# KiCad board PANEL7x5_ADS1293.kicad_pcb (continued)
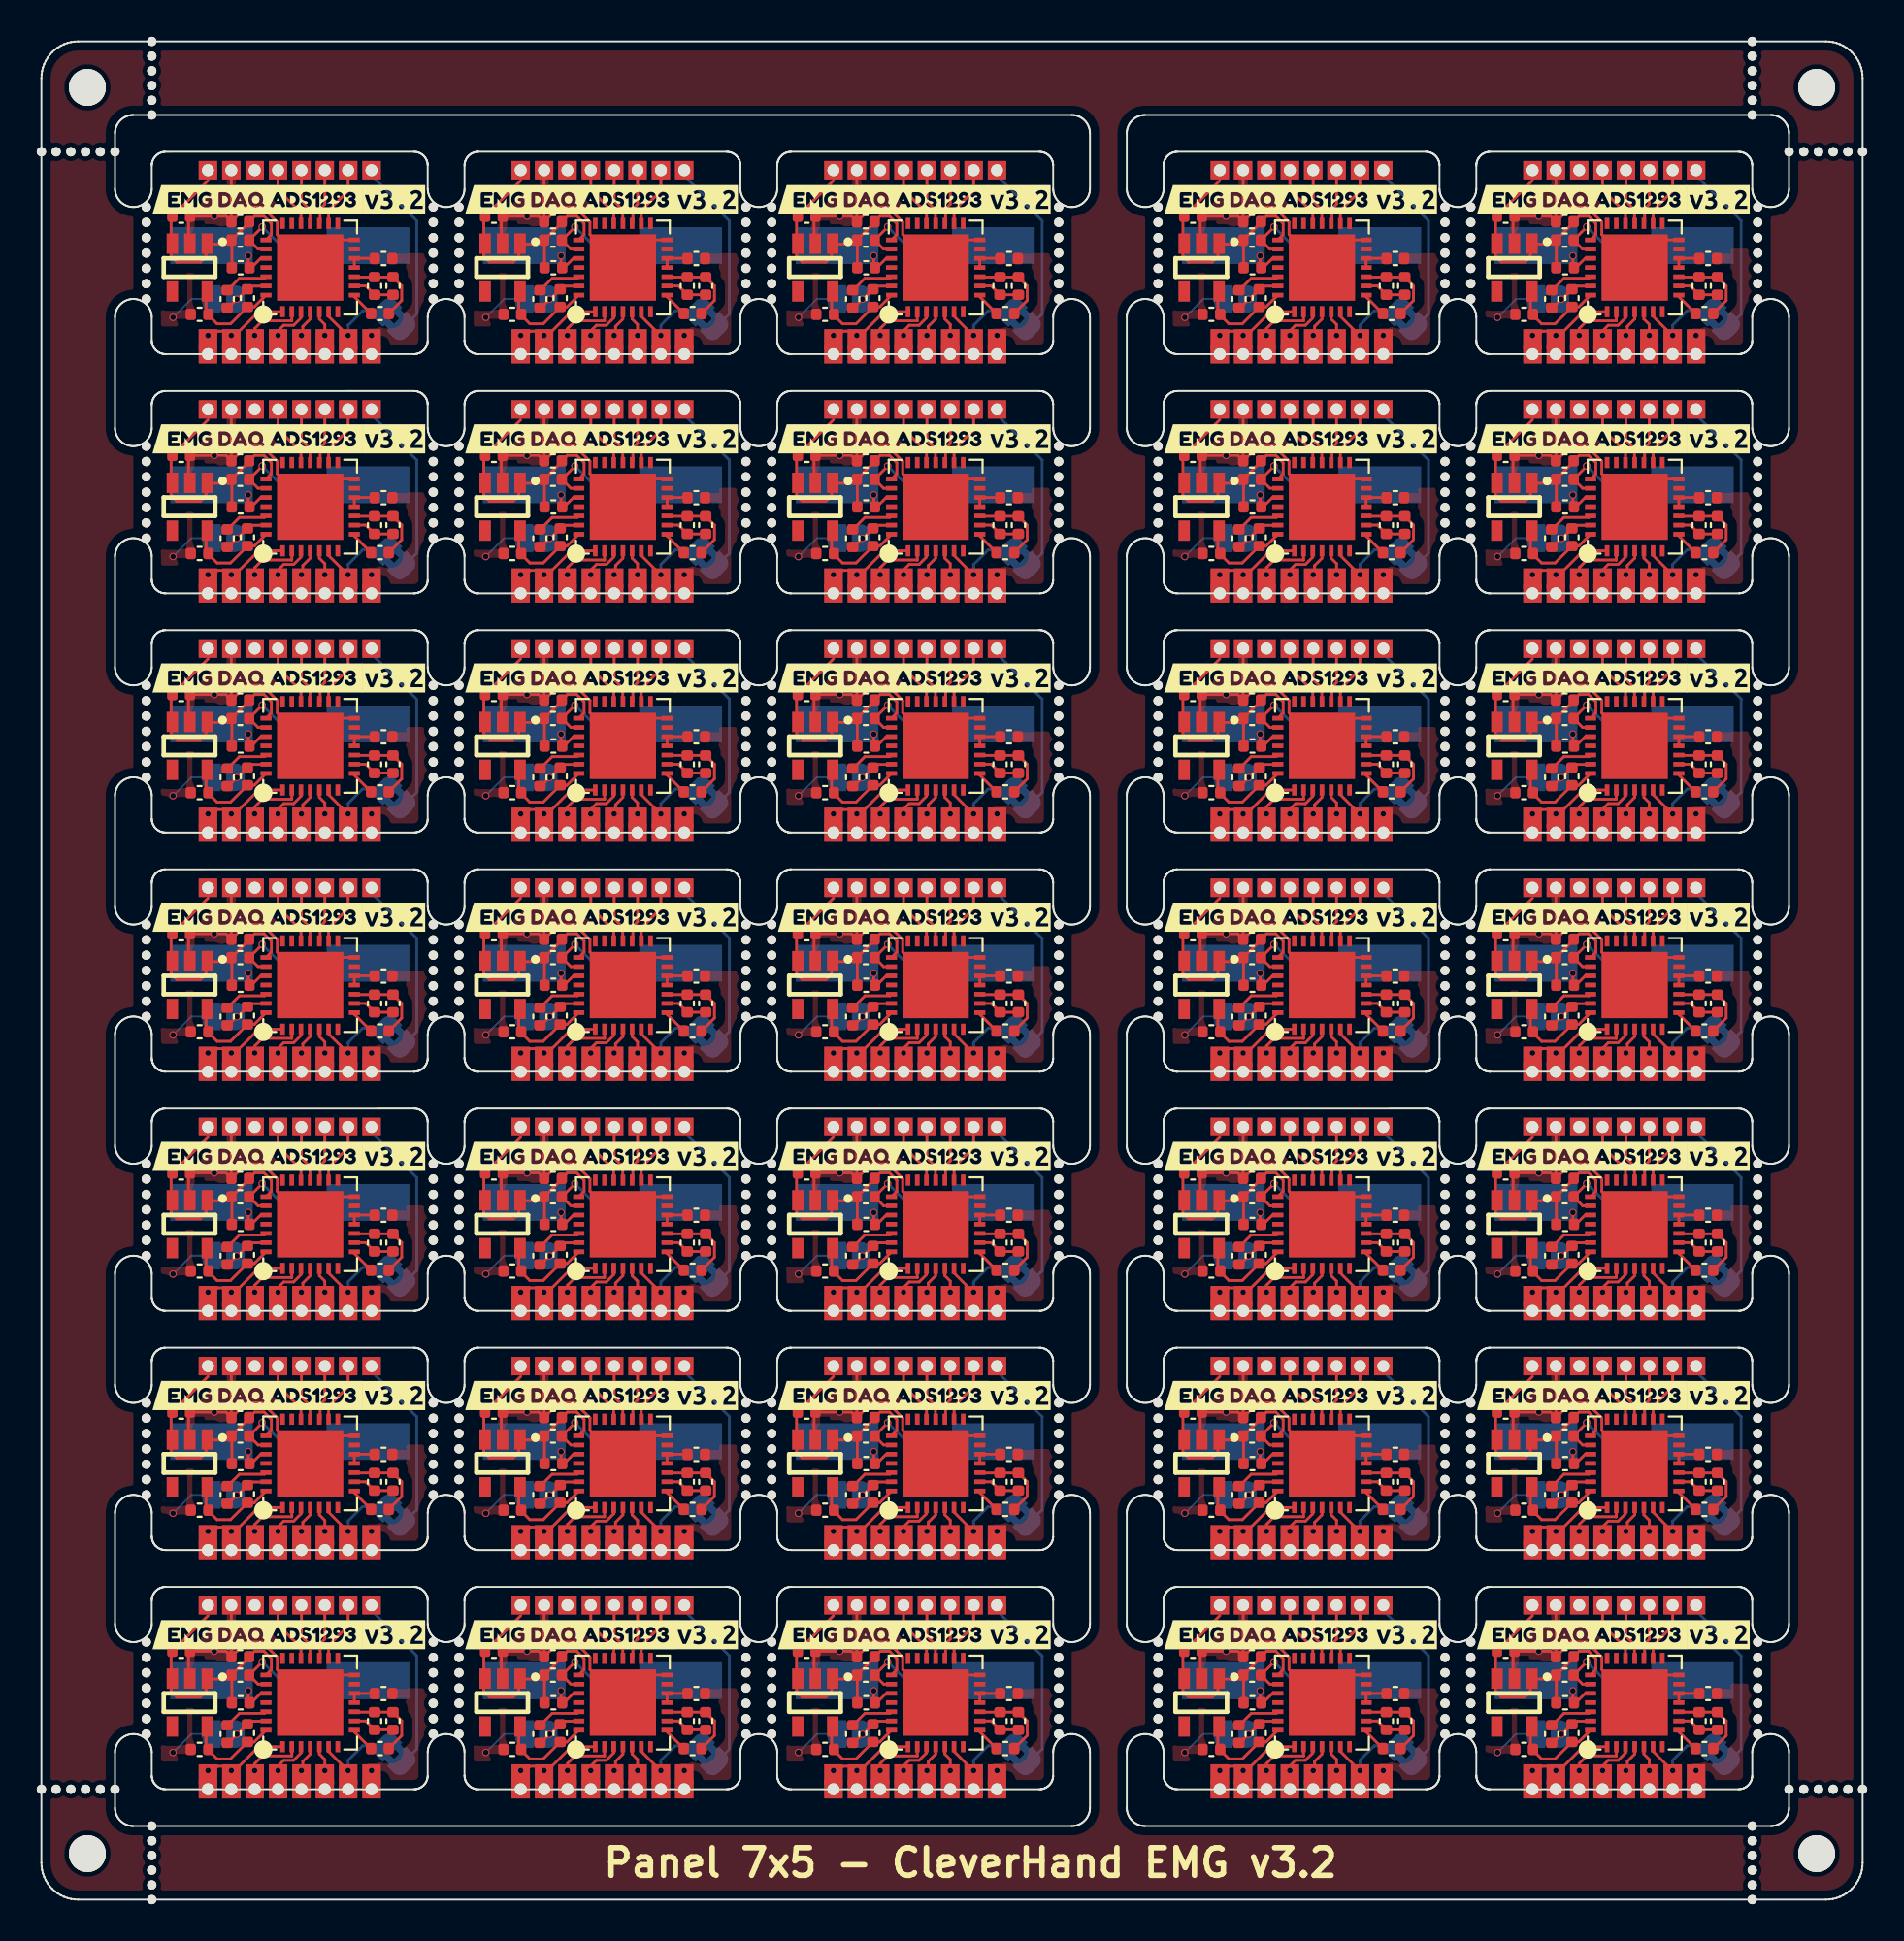
[diagram p0: board, top side]
## Routing (per net, layer and track width the routed paths; a pad name or vN(x,y) marks a point on that pad's centre or on a via; arc(x,y) is an arc through that point) (continued)
  Bottom w0.15: J15#3.1 v1(16.68,20.02) 16.68,20.58 17.46,21.36 JP2#6.2 18.74,21.09 18.55,20.9
Board_25-/PICO: length 3.1
  Top w0.15: U1#14.18 14.6,26.12 14.6,26.85 14.14,27.31 J10#18.1
Board_25-/POCI: length 3.4
  Top w0.15: J9#3.1 12.87,27.94 14.11,26.69 U1#14.19
Board_25-/RLDINV: length 4.6
  Top w0.15: R1#16.1 19.59,21.92 19.59,22.72 R2#23.1 C6#20.1 17.03,23.19 U1#14.10
Board_25-/RLDOUT: length 2.3
  Top w0.15: U1#14.9 17.63,22.71 C6#20.2 R2#23.2
Board_25-/RLDREF: length 1.6
  Top w0.15: C7#33.1 18.11,24.21 U1#14.12 U1#14.11
Board_25-/SCLK: length 2.5
  Top w0.15: 15.41,28.5 15.41,27.16 15.15,26.9 15.15,26.15 U1#14.17
Board_25-GND: length 18.1
  Top w0.15: 8,24.98 8,26.42 C9#25.2 10.03,26.5 C5#5.2 ; U1#14.14 16.11,25.21 U1#14.29 12.82,25.5 12.82,26.18 12,27 11.13,27 C5#5.2 ; C5#5.2 10.33,26.21 10.33,28.5
  Bottom w0.1: JP1#22.1 8.16,22 v1(7.16,21)
  vias: v1(9.4,26.5)
Board_25-GNDA: length 2.7
  Top w0.15: v1(10.62,21.99) 10.66,21.99 C1#33.2 11.37,22.7 12.2,22.7 U1#14.27 ; v1(10.62,21.99) 10.67,21.95 ; v1(10.62,21.99) 10.16,21.52 C2#13.2
  vias: v1(17.95,20.02)
Board_25-XTAL1: length 8.3
  Top w0.15: v1(12,25.92) 12,25.91 C4#19.2 11.78,24.71 U1#14.23
  Bottom w0.15: v1(12,25.92) 13.02,24.9 Y1#31.1
Board_25-XTAL2: length 4.2
  Top w0.15: v1(11.25,24.35) 11.25,23.66 11.31,23.6 11.92,24.21 U1#14.24
  Bottom w0.15: v1(11.25,24.35) 10.7,24.9 Y1#31.2
Board_26-+3.3V: length 14.8
  Top w0.15: C4#24.1 27.35,25.18 27.35,23.6 ; C4#24.1 28.29,26.16 C5#15.1 28.59,26.5 29.1,26.5 29.5,26.1 29.5,25.5 U1#2.22 ; C4#24.1 27.12,24.98 25.95,24.98 25.95,24.31 25.64,24 24.36,24 24.05,24.31 24.05,26.43 C9#14.1 26.06,28.44 ; J13.1 26.06,28.94
Board_26-+3.3VA: length 5.5
  Top w0.15: 25.95,22.61 25.95,21.3 C8#26.1 26.08,21.12 26.55,20.65 27.28,20.65 C1.1 28.57,21.57 U1#2.28
Board_26-/CMOUT: length 1.4
  Top w0.15: U1#2.8 34.01,22.12 R1#3.2
Board_26-/CSB: length 3.3
  Top w0.15: J12#12.1 33.68,27.88 32.61,26.81 U1#2.16
Board_26-/cvref: length 2.4
  Top w0.15: C2#14.1 27.12,22.48 27.77,23.12 29.12,23.12 U1#2.26
Board_26-/extRef: length 9.5
  Bottom w0.15: JP2#9.1 37.4,21.18 37.4,26.25 35.15,28.5 ; 35.15,29 J7#4.1
Board_26-/in1: length 6.5
  Top w0.15: U1#2.1 28.81,21.31 27.75,20.25 27.31,20.25 ; 26.06,19.73 J2#21.1 ; 27.31,20.25 27.31,20.04 v1(27.33,20.02) 27.31,20 27.31,19.08 27.33,19.08 ; 27.31,20.25 26.57,20.25 26.34,20.02 v1(26.06,20.02)
Board_26-/in2: length 4
  Top w0.15: 28.6,19.08 v1(28.6,20.02) 28.6,20.39 29.01,20.81 30.61,20.81 U1#2.2
Board_26-/in3: length 3.1
  Top w0.15: J5#18.1 v1(29.87,20.02) 29.87,20.27 30.17,20.57 30.71,20.57 31.11,20.97 U1#2.3
Board_26-/in4: length 2.6
  Top w0.15: J6#11.1 31.21,19.08 31.21,19.94 v1(31.14,20.02) 31.21,20.09 31.21,20.51 31.61,20.91 U1#2.4 ; 31.11,19.11 31.14,19.09
Board_26-/in5: length 2.5
  Top w0.15: J8#6.1 v1(32.41,20.02) 32.41,20.62 32.11,20.91 U1#2.5 ; 32.32,19.09 32.41,19.09
Board_26-/in6: length 7.3
  Top w0.15: J15#22.1 33.68,19.99 32.61,21.06 U1#2.6
  Bottom w0.15: 35.55,20.9 35.74,21.09 JP2#9.2 34.46,21.36 33.68,20.58 v1(33.68,20.02) J15#22.1
Board_26-/PICO: length 3.1
  Top w0.15: J10#33.1 31.14,27.31 31.6,26.85 31.6,26.12 U1#2.18
Board_26-/POCI: length 3.4
  Top w0.15: U1#2.19 31.11,26.69 29.87,27.94 J9#25.1
Board_26-/RLDINV: length 4.6
  Top w0.15: U1#2.10 34.03,23.19 C6#31.1 R2#18.1 36.59,22.72 36.59,21.92 R1#3.1
Board_26-/RLDOUT: length 2.3
  Top w0.15: R2#18.2 C6#31.2 34.63,22.71 U1#2.9
Board_26-/RLDREF: length 1.6
  Top w0.15: U1#2.11 U1#2.12 35.11,24.21 C7#21.1
Board_26-/SCLK: length 2.5
  Top w0.15: 32.41,28.5 32.41,27.16 32.15,26.9 32.15,26.15 U1#2.17
Board_26-GND: length 18.1
  Top w0.15: C5#15.2 27.03,26.5 C9#14.2 25,26.42 25,24.98 ; C5#15.2 27.33,26.21 27.33,28.5 ; C5#15.2 28.13,27 29,27 29.82,26.18 29.82,25.5 U1#2.29 33.11,25.21 U1#2.14
  Bottom w0.1: JP1#26.1 25.16,22 v1(24.16,21)
  vias: v1(26.4,26.5)
Board_26-GNDA: length 2.7
  Top w0.15: v1(27.63,21.99) 27.16,21.52 C2#14.2 ; v1(27.63,21.99) 27.67,21.95 ; v1(27.63,21.99) 27.66,21.99 C1.2 28.37,22.7 29.2,22.7 U1#2.27
  vias: v1(34.95,20.02)
Board_26-XTAL1: length 8.3
  Top w0.15: v1(29,25.92) 29,25.91 C4#24.2 28.78,24.71 U1#2.23
  Bottom w0.15: v1(29,25.92) 30.03,24.9 Y1#32.1
Board_26-XTAL2: length 4.2
  Top w0.15: U1#2.24 28.92,24.21 28.31,23.6 28.25,23.66 v1(28.25,24.35)
  Bottom w0.15: v1(28.25,24.35) 27.7,24.9 Y1#32.2
Board_27-+3.3V: length 14.8
  Top w0.15: C4#18.1 44.35,25.18 44.35,23.6 ; C4#18.1 44.12,24.98 42.95,24.98 42.95,24.31 42.64,24 41.36,24 41.05,24.31 41.05,26.43 C9#34.1 43.05,28.44 ; C4#18.1 45.29,26.16 C5#28.1 45.59,26.5 46.1,26.5 46.5,26.1 46.5,25.5 U1#17.22 ; J13#8.1 43.05,28.94
Board_27-+3.3VA: length 5.5
  Top w0.15: 42.95,22.61 42.95,21.3 C8#24.1 43.08,21.12 43.55,20.65 44.28,20.65 C1#14.1 45.57,21.57 U1#17.28
Board_27-/CMOUT: length 1.4
  Top w0.15: R1#29.2 51.01,22.12 U1#17.8
Board_27-/CSB: length 3.3
  Top w0.15: J12#29.1 50.68,27.88 49.61,26.81 U1#17.16
Board_27-/cvref: length 2.4
  Top w0.15: U1#17.26 46.12,23.12 44.77,23.12 44.12,22.48 C2#31.1
Board_27-/extRef: length 9.5
  Bottom w0.15: JP2#31.1 54.4,21.18 54.4,26.25 52.15,28.5 ; 52.15,29 J7#24.1
Board_27-/in1: length 6.5
  Top w0.15: 43.05,19.73 J2#18.1 ; 44.33,19.08 44.3,19.08 44.3,20 v1(44.33,20.02) 44.3,20.04 44.3,20.25 ; 44.3,20.25 43.57,20.25 43.34,20.02 v1(43.05,20.02) ; 44.3,20.25 44.75,20.25 45.81,21.31 U1#17.1
Board_27-/in2: length 4
  Top w0.15: 45.59,19.08 v1(45.59,20.02) 45.59,20.39 46.01,20.81 47.61,20.81 U1#17.2
Board_27-/in3: length 3.1
  Top w0.15: J5#5.1 v1(46.87,20.02) 46.87,20.27 47.17,20.57 47.71,20.57 48.11,20.97 U1#17.3
Board_27-/in4: length 2.6
  Top w0.15: 48.11,19.11 48.14,19.09 ; U1#17.4 48.61,20.91 48.21,20.51 48.21,20.09 v1(48.14,20.02) 48.21,19.94 48.21,19.08 J6#28.1
Board_27-/in5: length 2.5
  Top w0.15: J8#13.1 v1(49.41,20.02) 49.41,20.62 49.11,20.91 U1#17.5 ; 49.32,19.09 49.41,19.09
Board_27-/in6: length 7.3
  Top w0.15: J15#29.1 50.68,19.99 49.61,21.06 U1#17.6
  Bottom w0.15: 52.55,20.9 52.74,21.09 JP2#31.2 51.46,21.36 50.68,20.58 v1(50.68,20.02) J15#29.1
Board_27-/PICO: length 3.1
  Top w0.15: J10#32.1 48.14,27.31 48.6,26.85 48.6,26.12 U1#17.18
Board_27-/POCI: length 3.4
  Top w0.15: J9#32.1 46.87,27.94 48.11,26.69 U1#17.19
Board_27-/RLDINV: length 4.6
  Top w0.15: R1#29.1 53.59,21.92 53.59,22.72 R2#3.1 C6#13.1 51.03,23.19 U1#17.10
Board_27-/RLDOUT: length 2.3
  Top w0.15: R2#3.2 C6#13.2 51.63,22.71 U1#17.9
Board_27-/RLDREF: length 1.6
  Top w0.15: U1#17.11 U1#17.12 52.11,24.21 C7#9.1
Board_27-/SCLK: length 2.5
  Top w0.15: U1#17.17 49.15,26.15 49.15,26.9 49.41,27.16 49.41,28.5
Board_27-GND: length 18.1
  Top w0.15: U1#17.14 50.11,25.21 U1#17.29 46.82,25.5 46.82,26.18 46,27 45.13,27 C5#28.2 ; C5#28.2 44.03,26.5 C9#34.2 42,26.42 42,24.98 ; C5#28.2 44.33,26.21 44.33,28.5
  Bottom w0.1: v1(41.16,21) 42.16,22 JP1#5.1
  vias: v1(43.4,26.5)
Board_27-GNDA: length 2.7
  Top w0.15: U1#17.27 46.2,22.7 45.37,22.7 C1#14.2 44.66,21.99 v1(44.62,21.99) ; C2#31.2 44.16,21.52 v1(44.62,21.99) ; v1(44.62,21.99) 44.67,21.95
  vias: v1(51.95,20.02)
Board_27-XTAL1: length 8.3
  Top w0.15: U1#17.23 45.78,24.71 C4#18.2 46,25.91 v1(46,25.92)
  Bottom w0.15: Y1#33.1 47.02,24.9 v1(46,25.92)
Board_27-XTAL2: length 4.2
  Top w0.15: v1(45.25,24.35) 45.25,23.66 45.31,23.6 45.92,24.21 U1#17.24
  Bottom w0.15: v1(45.25,24.35) 44.7,24.9 Y1#33.2
Board_28-+3.3V: length 14.8
  Top w0.15: 64.06,28.44 C9#26.1 62.05,26.43 62.05,24.31 62.36,24 63.64,24 63.95,24.31 63.95,24.98 65.12,24.98 C4#14.1 ; C4#14.1 65.35,25.18 65.35,23.6 ; C4#14.1 66.29,26.16 C5#2.1 66.59,26.5 67.1,26.5 67.5,26.1 67.5,25.5 U1#13.22 ; J13#27.1 64.06,28.94
Board_28-+3.3VA: length 5.5
  Top w0.15: 63.95,22.61 63.95,21.3 C8#12.1 64.08,21.12 64.55,20.65 65.28,20.65 C1#31.1 66.57,21.57 U1#13.28
Board_28-/CMOUT: length 1.4
  Top w0.15: R1#24.2 72.01,22.12 U1#13.8
Board_28-/CSB: length 3.3
  Top w0.15: J12#2.1 71.67,27.88 70.61,26.81 U1#13.16
Board_28-/cvref: length 2.4
  Top w0.15: U1#13.26 67.12,23.12 65.77,23.12 65.12,22.48 C2#8.1
Board_28-/extRef: length 9.5
  Bottom w0.15: 73.15,28.5 75.4,26.25 75.4,21.18 JP2#8.1 ; 73.15,29 J7#6.1
Board_28-/in1: length 6.5
  Top w0.15: U1#13.1 66.81,21.31 65.75,20.25 65.31,20.25 ; 65.31,20.25 64.57,20.25 64.34,20.02 v1(64.06,20.02) ; 65.31,20.25 65.31,20.04 v1(65.33,20.02) 65.31,20 65.31,19.08 65.33,19.08 ; 64.06,19.73 J2#2.1
Board_28-/in2: length 4
  Top w0.15: 66.59,19.08 v1(66.59,20.02) 66.59,20.39 67.01,20.81 68.61,20.81 U1#13.2
Board_28-/in3: length 3.1
  Top w0.15: U1#13.3 69.11,20.97 68.71,20.57 68.17,20.57 67.87,20.27 v1(67.87,20.02) J5#19.1
Board_28-/in4: length 2.6
  Top w0.15: J6#13.1 69.21,19.08 69.21,19.94 v1(69.14,20.02) 69.21,20.09 69.21,20.51 69.61,20.91 U1#13.4 ; 69.11,19.11 69.14,19.09
Board_28-/in5: length 2.5
  Top w0.15: 70.32,19.09 70.41,19.09 ; J8#5.1 v1(70.41,20.02) 70.41,20.62 70.11,20.91 U1#13.5
Board_28-/in6: length 7.3
  Top w0.15: U1#13.6 70.61,21.06 71.67,19.99 J15#15.1
  Bottom w0.15: 73.55,20.9 73.74,21.09 JP2#8.2 72.46,21.36 71.67,20.58 v1(71.67,20.02) J15#15.1
Board_28-/PICO: length 3.1
  Top w0.15: U1#13.18 69.6,26.12 69.6,26.85 69.14,27.31 J10#14.1
Board_28-/POCI: length 3.4
  Top w0.15: J9#13.1 67.87,27.94 69.11,26.69 U1#13.19
Board_28-/RLDINV: length 4.6
  Top w0.15: R1#24.1 74.59,21.92 74.59,22.72 R2#26.1 C6#29.1 72.03,23.19 U1#13.10
Board_28-/RLDOUT: length 2.3
  Top w0.15: R2#26.2 C6#29.2 72.63,22.71 U1#13.9
Board_28-/RLDREF: length 1.6
  Top w0.15: U1#13.11 U1#13.12 73.11,24.21 C7#4.1
Board_28-/SCLK: length 2.5
  Top w0.15: 70.41,28.5 70.41,27.16 70.15,26.9 70.15,26.15 U1#13.17
Board_28-GND: length 18.1
  Top w0.15: C5#2.2 65.03,26.5 C9#26.2 63,26.42 63,24.98 ; C5#2.2 65.33,26.21 65.33,28.5 ; C5#2.2 66.13,27 67,27 67.82,26.18 67.82,25.5 U1#13.29 71.11,25.21 U1#13.14
  Bottom w0.1: v1(62.16,21) 63.16,22 JP1#4.1
  vias: v1(64.4,26.5)
Board_28-GNDA: length 2.7
  Top w0.15: U1#13.27 67.2,22.7 66.37,22.7 C1#31.2 65.66,21.99 v1(65.62,21.99) ; v1(65.62,21.99) 65.16,21.52 C2#8.2 ; v1(65.62,21.99) 65.67,21.95
  vias: v1(72.94,20.02)
Board_28-XTAL1: length 8.3
  Top w0.15: U1#13.23 66.78,24.71 C4#14.2 67,25.91 v1(67,25.92)
  Bottom w0.15: v1(67,25.92) 68.03,24.9 Y1#34.1
Board_28-XTAL2: length 4.2
  Top w0.15: v1(66.25,24.35) 66.25,23.66 66.31,23.6 66.92,24.21 U1#13.24
  Bottom w0.15: v1(66.25,24.35) 65.7,24.9 Y1#34.2
Board_29-+3.3V: length 14.8
  Top w0.15: C4#16.1 82.12,24.98 80.95,24.98 80.95,24.31 80.64,24 79.36,24 79.05,24.31 79.05,26.43 C9#18.1 81.06,28.44 ; C4#16.1 83.29,26.16 C5#19.1 83.59,26.5 84.1,26.5 84.5,26.1 84.5,25.5 U1#10.22 ; C4#16.1 82.35,25.18 82.35,23.6 ; J13#15.1 81.06,28.94
Board_29-+3.3VA: length 5.5
  Top w0.15: U1#10.28 83.57,21.57 C1#12.1 82.28,20.65 81.55,20.65 81.08,21.12 C8#25.1 80.95,21.3 80.95,22.61
Board_29-/CMOUT: length 1.4
  Top w0.15: U1#10.8 89.01,22.12 R1#34.2
Board_29-/CSB: length 3.3
  Top w0.15: U1#10.16 87.61,26.81 88.68,27.88 J12#25.1
Board_29-/cvref: length 2.4
  Top w0.15: U1#10.26 84.12,23.12 82.77,23.12 82.12,22.48 C2#23.1
Board_29-/extRef: length 9.5
  Bottom w0.15: 90.15,29 J7#27.1 ; JP2#32.1 92.4,21.18 92.4,26.25 90.15,28.5
Board_29-/in1: length 6.5
  Top w0.15: 81.06,19.73 J2#10.1 ; U1#10.1 83.81,21.31 82.75,20.25 82.31,20.25 ; 82.31,20.25 81.57,20.25 81.34,20.02 v1(81.06,20.02) ; 82.31,20.25 82.31,20.04 v1(82.33,20.02) 82.31,20 82.31,19.08 82.33,19.08
Board_29-/in2: length 4
  Top w0.15: U1#10.2 85.61,20.81 84.01,20.81 83.59,20.39 v1(83.59,20.02) 83.59,19.08
Board_29-/in3: length 3.1
  Top w0.15: J5#33.1 v1(84.87,20.02) 84.87,20.27 85.17,20.57 85.71,20.57 86.11,20.97 U1#10.3
Board_29-/in4: length 2.6
  Top w0.15: 86.11,19.11 86.14,19.09 ; J6#24.1 86.21,19.08 86.21,19.94 v1(86.14,20.02) 86.21,20.09 86.21,20.51 86.61,20.91 U1#10.4
Board_29-/in5: length 2.5
  Top w0.15: U1#10.5 87.11,20.91 87.41,20.62 v1(87.41,20.02) J8#25.1 ; 87.32,19.09 87.41,19.09
Board_29-/in6: length 7.3
  Top w0.15: J15#8.1 88.68,19.99 87.61,21.06 U1#10.6
  Bottom w0.15: J15#8.1 v1(88.68,20.02) 88.68,20.58 89.46,21.36 JP2#32.2 90.74,21.09 90.55,20.9
Board_29-/PICO: length 3.1
  Top w0.15: U1#10.18 86.6,26.12 86.6,26.85 86.14,27.31 J10#7.1
Board_29-/POCI: length 3.4
  Top w0.15: U1#10.19 86.11,26.69 84.87,27.94 J9#4.1
Board_29-/RLDINV: length 4.6
  Top w0.15: R1#34.1 91.59,21.92 91.59,22.72 R2#34.1 C6#35.1 89.03,23.19 U1#10.10
Board_29-/RLDOUT: length 2.3
  Top w0.15: R2#34.2 C6#35.2 89.63,22.71 U1#10.9
Board_29-/RLDREF: length 1.6
  Top w0.15: U1#10.11 U1#10.12 90.11,24.21 C7#14.1
Board_29-/SCLK: length 2.5
  Top w0.15: U1#10.17 87.15,26.15 87.15,26.9 87.41,27.16 87.41,28.5
Board_29-GND: length 18.1
  Top w0.15: U1#10.14 88.11,25.21 U1#10.29 84.82,25.5 84.82,26.18 84,27 83.13,27 C5#19.2 ; 82.33,28.5 82.33,26.21 C5#19.2 ; C5#19.2 82.03,26.5 C9#18.2 80,26.42 80,24.98
  Bottom w0.1: v1(79.16,21) 80.16,22 JP1#28.1
  vias: v1(81.4,26.5)
Board_29-GNDA: length 2.7
  Top w0.15: v1(82.62,21.99) 82.16,21.52 C2#23.2 ; v1(82.62,21.99) 82.67,21.95 ; v1(82.62,21.99) 82.66,21.99 C1#12.2 83.37,22.7 84.2,22.7 U1#10.27
  vias: v1(89.94,20.02)
Board_29-XTAL1: length 8.3
  Top w0.15: v1(84,25.92) 84,25.91 C4#16.2 83.78,24.71 U1#10.23
  Bottom w0.15: v1(84,25.92) 85.03,24.9 Y1.1
Board_29-XTAL2: length 4.2
  Top w0.15: v1(83.25,24.35) 83.25,23.66 83.31,23.6 83.92,24.21 U1#10.24
  Bottom w0.15: Y1.2 82.7,24.9 v1(83.25,24.35)
Board_30-+3.3V: length 14.8
  Top w0.15: 10.35,10.6 10.35,12.18 C4#29.1 ; 9.05,15.44 C9#7.1 7.05,13.43 7.05,11.31 7.36,11 8.64,11 8.95,11.31 8.95,11.98 10.12,11.98 C4#29.1 ; C4#29.1 11.29,13.16 C5#27.1 11.59,13.5 12.1,13.5 12.5,13.1 12.5,12.5 U1#20.22 ; J13#16.1 9.05,15.94
Board_30-+3.3VA: length 5.5
  Top w0.15: U1#20.28 11.57,8.57 C1#16.1 10.28,7.65 9.55,7.65 9.08,8.12 C8#8.1 8.95,8.3 8.95,9.61
Board_30-/CMOUT: length 1.4
  Top w0.15: U1#20.8 17.01,9.12 R1#33.2
Board_30-/CSB: length 3.3
  Top w0.15: U1#20.16 15.61,13.81 16.68,14.88 J12.1
Board_30-/cvref: length 2.4
  Top w0.15: U1#20.26 12.12,10.12 10.77,10.12 10.12,9.48 C2#12.1
Board_30-/extRef: length 9.5
  Bottom w0.15: 18.15,15.5 20.4,13.25 20.4,8.18 JP2#22.1 ; 18.15,16 J7#20.1
Board_30-/in1: length 6.5
  Top w0.15: U1#20.1 11.81,8.31 10.75,7.25 10.3,7.25 ; 10.3,7.25 10.3,7.04 v1(10.33,7.02) 10.3,7 10.3,6.08 10.33,6.08 ; 10.3,7.25 9.57,7.25 9.34,7.02 v1(9.05,7.02) ; 9.05,6.73 J2#33.1
Board_30-/in2: length 4
  Top w0.15: U1#20.2 13.61,7.81 12.01,7.81 11.59,7.39 v1(11.59,7.02) 11.59,6.08
Board_30-/in3: length 3.1
  Top w0.15: U1#20.3 14.11,7.97 13.71,7.57 13.17,7.57 12.87,7.27 v1(12.87,7.02) J5#34.1
Board_30-/in4: length 2.6
  Top w0.15: U1#20.4 14.61,7.91 14.21,7.51 14.21,7.09 v1(14.14,7.02) 14.21,6.94 14.21,6.08 J6#33.1 ; 14.11,6.11 14.14,6.09
Board_30-/in5: length 2.5
  Top w0.15: J8#11.1 v1(15.41,7.02) 15.41,7.62 15.11,7.91 U1#20.5 ; 15.32,6.09 15.41,6.09
Board_30-/in6: length 7.3
  Top w0.15: U1#20.6 15.61,8.06 16.68,6.99 J15#9.1
  Bottom w0.15: 18.55,7.9 18.74,8.09 JP2#22.2 17.46,8.36 16.68,7.58 v1(16.68,7.02) J15#9.1
Board_30-/PICO: length 3.1
  Top w0.15: J10.1 14.14,14.31 14.6,13.85 14.6,13.12 U1#20.18
Board_30-/POCI: length 3.4
  Top w0.15: U1#20.19 14.11,13.69 12.87,14.94 J9#18.1
Board_30-/RLDINV: length 4.6
  Top w0.15: R1#33.1 19.59,8.92 19.59,9.72 R2#31.1 C6#30.1 17.03,10.19 U1#20.10
Board_30-/RLDOUT: length 2.3
  Top w0.15: R2#31.2 C6#30.2 17.63,9.71 U1#20.9
Board_30-/RLDREF: length 1.6
  Top w0.15: U1#20.11 U1#20.12 18.11,11.21 C7#11.1
Board_30-/SCLK: length 2.5
  Top w0.15: U1#20.17 15.15,13.15 15.15,13.9 15.41,14.16 15.41,15.5
Board_30-GND: length 18.1
  Top w0.15: C5#27.2 10.03,13.5 C9#7.2 8,13.42 8,11.98 ; C5#27.2 11.13,14 12,14 12.82,13.18 12.82,12.5 U1#20.29 16.11,12.21 U1#20.14 ; C5#27.2 10.33,13.21 10.33,15.5
  Bottom w0.1: JP1#18.1 8.16,9 v1(7.16,8)
  vias: v1(9.4,13.5)
Board_30-GNDA: length 2.7
  Top w0.15: v1(10.62,8.99) 10.66,8.99 C1#16.2 11.37,9.7 12.2,9.7 U1#20.27 ; v1(10.62,8.99) 10.16,8.52 C2#12.2 ; v1(10.62,8.99) 10.67,8.95
  vias: v1(17.95,7.02)
Board_30-XTAL1: length 8.3
  Top w0.15: v1(12,12.92) 12,12.91 C4#29.2 11.78,11.71 U1#20.23
  Bottom w0.15: Y1#19.1 13.02,11.9 v1(12,12.92)
Board_30-XTAL2: length 4.2
  Top w0.15: U1#20.24 11.92,11.21 11.31,10.6 11.25,10.66 v1(11.25,11.35)
  Bottom w0.15: Y1#19.2 10.7,11.9 v1(11.25,11.35)
Board_31-+3.3V: length 14.8
  Top w0.15: C4#15.1 28.29,13.16 C5#8.1 28.59,13.5 29.1,13.5 29.5,13.1 29.5,12.5 U1#12.22 ; C4#15.1 27.12,11.98 25.95,11.98 25.95,11.31 25.64,11 24.36,11 24.05,11.31 24.05,13.43 C9#29.1 26.06,15.44 ; C4#15.1 27.35,12.18 27.35,10.6 ; J13#31.1 26.06,15.94
Board_31-+3.3VA: length 5.5
  Top w0.15: 25.95,9.61 25.95,8.3 C8#29.1 26.08,8.12 26.55,7.65 27.28,7.65 C1#18.1 28.57,8.57 U1#12.28
Board_31-/CMOUT: length 1.4
  Top w0.15: U1#12.8 34.01,9.12 R1.2
Board_31-/CSB: length 3.3
  Top w0.15: J12#30.1 33.68,14.88 32.61,13.81 U1#12.16
Board_31-/cvref: length 2.4
  Top w0.15: C2#34.1 27.12,9.48 27.77,10.12 29.12,10.12 U1#12.26
Board_31-/extRef: length 9.5
  Bottom w0.15: 35.15,15.5 37.4,13.25 37.4,8.18 JP2#5.1 ; 35.15,16 J7#2.1
Board_31-/in1: length 6.5
  Top w0.15: 27.33,6.08 27.31,6.08 27.31,7 v1(27.33,7.02) 27.31,7.04 27.31,7.25 ; U1#12.1 28.81,8.31 27.75,7.25 27.31,7.25 ; 27.31,7.25 26.57,7.25 26.34,7.02 v1(26.06,7.02) ; 26.06,6.73 J2.1
Board_31-/in2: length 4
  Top w0.15: 28.6,6.08 v1(28.6,7.02) 28.6,7.39 29.01,7.81 30.61,7.81 U1#12.2
Board_31-/in3: length 3.1
  Top w0.15: U1#12.3 31.11,7.97 30.71,7.57 30.17,7.57 29.87,7.27 v1(29.87,7.02) J5#23.1
Board_31-/in4: length 2.6
  Top w0.15: U1#12.4 31.61,7.91 31.21,7.51 31.21,7.09 v1(31.14,7.02) 31.21,6.94 31.21,6.08 J6#12.1 ; 31.11,6.11 31.14,6.09
Board_31-/in5: length 2.5
  Top w0.15: U1#12.5 32.11,7.91 32.41,7.62 v1(32.41,7.02) J8#35.1 ; 32.32,6.09 32.41,6.09
Board_31-/in6: length 7.3
  Top w0.15: U1#12.6 32.61,8.06 33.68,6.99 J15#13.1
  Bottom w0.15: 35.55,7.9 35.74,8.09 JP2#5.2 34.46,8.36 33.68,7.58 v1(33.68,7.02) J15#13.1
Board_31-/PICO: length 3.1
  Top w0.15: J10#30.1 31.14,14.31 31.6,13.85 31.6,13.12 U1#12.18
Board_31-/POCI: length 3.4
  Top w0.15: U1#12.19 31.11,13.69 29.87,14.94 J9#21.1
Board_31-/RLDINV: length 4.6
  Top w0.15: R1.1 36.59,8.92 36.59,9.72 R2#8.1 C6#6.1 34.03,10.19 U1#12.10
Board_31-/RLDOUT: length 2.3
  Top w0.15: U1#12.9 34.63,9.71 C6#6.2 R2#8.2
Board_31-/RLDREF: length 1.6
  Top w0.15: C7#20.1 35.11,11.21 U1#12.12 U1#12.11
Board_31-/SCLK: length 2.5
  Top w0.15: U1#12.17 32.15,13.15 32.15,13.9 32.41,14.16 32.41,15.5
Board_31-GND: length 18.1
  Top w0.15: 27.33,15.5 27.33,13.21 C5#8.2 ; C5#8.2 28.13,14 29,14 29.82,13.18 29.82,12.5 U1#12.29 33.11,12.21 U1#12.14 ; C5#8.2 27.03,13.5 C9#29.2 25,13.42 25,11.98
  Bottom w0.1: JP1#34.1 25.16,9 v1(24.16,8)
  vias: v1(26.4,13.5)
Board_31-GNDA: length 2.7
  Top w0.15: v1(27.63,8.99) 27.16,8.52 C2#34.2 ; v1(27.63,8.99) 27.67,8.95 ; v1(27.63,8.99) 27.66,8.99 C1#18.2 28.37,9.7 29.2,9.7 U1#12.27
  vias: v1(34.95,7.02)
Board_31-XTAL1: length 8.3
  Top w0.15: U1#12.23 28.78,11.71 C4#15.2 29,12.91 v1(29,12.92)
  Bottom w0.15: v1(29,12.92) 30.03,11.9 Y1#24.1
Board_31-XTAL2: length 4.2
  Top w0.15: v1(28.25,11.35) 28.25,10.66 28.31,10.6 28.92,11.21 U1#12.24
  Bottom w0.15: v1(28.25,11.35) 27.7,11.9 Y1#24.2
Board_32-+3.3V: length 14.8
  Top w0.15: 44.35,10.6 44.35,12.18 C4#32.1 ; J13#18.1 43.05,15.94 ; C4#32.1 45.29,13.16 C5#3.1 45.59,13.5 46.1,13.5 46.5,13.1 46.5,12.5 U1#21.22 ; C4#32.1 44.12,11.98 42.95,11.98 42.95,11.31 42.64,11 41.36,11 41.05,11.31 41.05,13.43 C9#13.1 43.05,15.44
Board_32-+3.3VA: length 5.5
  Top w0.15: U1#21.28 45.57,8.57 C1#6.1 44.28,7.65 43.55,7.65 43.08,8.12 C8#4.1 42.95,8.3 42.95,9.61
Board_32-/CMOUT: length 1.4
  Top w0.15: R1#23.2 51.01,9.12 U1#21.8
Board_32-/CSB: length 3.3
  Top w0.15: U1#21.16 49.61,13.81 50.68,14.88 J12#9.1
Board_32-/cvref: length 2.4
  Top w0.15: U1#21.26 46.12,10.12 44.77,10.12 44.12,9.48 C2#3.1
Board_32-/extRef: length 9.5
  Bottom w0.15: 52.15,16 J7#21.1 ; JP2#18.1 54.4,8.18 54.4,13.25 52.15,15.5
Board_32-/in1: length 6.5
  Top w0.15: 44.3,7.25 44.3,7.04 v1(44.33,7.02) 44.3,7 44.3,6.08 44.33,6.08 ; 44.3,7.25 43.57,7.25 43.34,7.02 v1(43.05,7.02) ; 44.3,7.25 44.75,7.25 45.81,8.31 U1#21.1 ; 43.05,6.73 J2#28.1
Board_32-/in2: length 4
  Top w0.15: 45.59,6.08 v1(45.59,7.02) 45.59,7.39 46.01,7.81 47.61,7.81 U1#21.2
Board_32-/in3: length 3.1
  Top w0.15: U1#21.3 48.11,7.97 47.71,7.57 47.17,7.57 46.87,7.27 v1(46.87,7.02) J5#30.1
Board_32-/in4: length 2.6
  Top w0.15: U1#21.4 48.61,7.91 48.21,7.51 48.21,7.09 v1(48.14,7.02) 48.21,6.94 48.21,6.08 J6#30.1 ; 48.11,6.11 48.14,6.09
Board_32-/in5: length 2.5
  Top w0.15: J8#2.1 v1(49.41,7.02) 49.41,7.62 49.11,7.91 U1#21.5 ; 49.32,6.09 49.41,6.09
Board_32-/in6: length 7.3
  Top w0.15: J15#28.1 50.68,6.99 49.61,8.06 U1#21.6
  Bottom w0.15: J15#28.1 v1(50.68,7.02) 50.68,7.58 51.46,8.36 JP2#18.2 52.74,8.09 52.55,7.9
Board_32-/PICO: length 3.1
  Top w0.15: J10#16.1 48.14,14.31 48.6,13.85 48.6,13.12 U1#21.18
Board_32-/POCI: length 3.4
  Top w0.15: U1#21.19 48.11,13.69 46.87,14.94 J9.1
Board_32-/RLDINV: length 4.6
  Top w0.15: U1#21.10 51.03,10.19 C6#19.1 R2#30.1 53.59,9.72 53.59,8.92 R1#23.1
Board_32-/RLDOUT: length 2.3
  Top w0.15: R2#30.2 C6#19.2 51.63,9.71 U1#21.9
Board_32-/RLDREF: length 1.6
  Top w0.15: C7#19.1 52.11,11.21 U1#21.12 U1#21.11
Board_32-/SCLK: length 2.5
  Top w0.15: U1#21.17 49.15,13.15 49.15,13.9 49.41,14.16 49.41,15.5
Board_32-GND: length 18.1
  Top w0.15: 42,11.98 42,13.42 C9#13.2 44.03,13.5 C5#3.2 ; U1#21.14 50.11,12.21 U1#21.29 46.82,12.5 46.82,13.18 46,14 45.13,14 C5#3.2 ; C5#3.2 44.33,13.21 44.33,15.5
  Bottom w0.1: v1(41.16,8) 42.16,9 JP1#9.1
  vias: v1(43.4,13.5)
Board_32-GNDA: length 2.7
  Top w0.15: 44.67,8.95 v1(44.62,8.99) ; v1(44.62,8.99) 44.66,8.99 C1#6.2 45.37,9.7 46.2,9.7 U1#21.27 ; v1(44.62,8.99) 44.16,8.52 C2#3.2
  vias: v1(51.95,7.02)
Board_32-XTAL1: length 8.3
  Top w0.15: v1(46,12.92) 46,12.91 C4#32.2 45.78,11.71 U1#21.23
  Bottom w0.15: v1(46,12.92) 47.02,11.9 Y1#8.1
Board_32-XTAL2: length 4.2
  Top w0.15: U1#21.24 45.92,11.21 45.31,10.6 45.25,10.66 v1(45.25,11.35)
  Bottom w0.15: Y1#8.2 44.7,11.9 v1(45.25,11.35)
Board_33-+3.3V: length 14.8
  Top w0.15: 65.35,10.6 65.35,12.18 C4.1 ; C4.1 66.29,13.16 C5#20.1 66.59,13.5 67.1,13.5 67.5,13.1 67.5,12.5 U1#4.22 ; C4.1 65.12,11.98 63.95,11.98 63.95,11.31 63.64,11 62.36,11 62.05,11.31 62.05,13.43 C9#11.1 64.06,15.44 ; J13#34.1 64.06,15.94
Board_33-+3.3VA: length 5.5
  Top w0.15: 63.95,9.61 63.95,8.3 C8#34.1 64.08,8.12 64.55,7.65 65.28,7.65 C1#5.1 66.57,8.57 U1#4.28
Board_33-/CMOUT: length 1.4
  Top w0.15: U1#4.8 72.01,9.12 R1#17.2
Board_33-/CSB: length 3.3
  Top w0.15: J12#7.1 71.67,14.88 70.61,13.81 U1#4.16
Board_33-/cvref: length 2.4
  Top w0.15: U1#4.26 67.12,10.12 65.77,10.12 65.12,9.48 C2#25.1
Board_33-/extRef: length 9.5
  Bottom w0.15: 73.15,16 J7#14.1 ; 73.15,15.5 75.4,13.25 75.4,8.18 JP2#17.1
Board_33-/in1: length 6.5
  Top w0.15: U1#4.1 66.81,8.31 65.75,7.25 65.31,7.25 ; v1(64.06,7.02) 64.34,7.02 64.57,7.25 65.31,7.25 ; 65.31,7.25 65.31,7.04 v1(65.33,7.02) 65.31,7 65.31,6.08 65.33,6.08 ; 64.06,6.73 J2#7.1
Board_33-/in2: length 4
  Top w0.15: 66.59,6.08 v1(66.59,7.02) 66.59,7.39 67.01,7.81 68.61,7.81 U1#4.2
Board_33-/in3: length 3.1
  Top w0.15: U1#4.3 69.11,7.97 68.71,7.57 68.17,7.57 67.87,7.27 v1(67.87,7.02) J5#12.1
Board_33-/in4: length 2.6
  Top w0.15: 69.11,6.11 69.14,6.09 ; J6#32.1 69.21,6.08 69.21,6.94 v1(69.14,7.02) 69.21,7.09 69.21,7.51 69.61,7.91 U1#4.4
Board_33-/in5: length 2.5
  Top w0.15: 70.32,6.09 70.41,6.09 ; U1#4.5 70.11,7.91 70.41,7.62 v1(70.41,7.02) J8#12.1
Board_33-/in6: length 7.3
  Top w0.15: J15#34.1 71.67,6.99 70.61,8.06 U1#4.6
  Bottom w0.15: 73.55,7.9 73.74,8.09 JP2#17.2 72.46,8.36 71.67,7.58 v1(71.67,7.02) J15#34.1
Board_33-/PICO: length 3.1
  Top w0.15: J10#3.1 69.14,14.31 69.6,13.85 69.6,13.12 U1#4.18
Board_33-/POCI: length 3.4
  Top w0.15: J9#15.1 67.87,14.94 69.11,13.69 U1#4.19
Board_33-/RLDINV: length 4.6
  Top w0.15: U1#4.10 72.03,10.19 C6#18.1 R2#4.1 74.59,9.72 74.59,8.92 R1#17.1
Board_33-/RLDOUT: length 2.3
  Top w0.15: R2#4.2 C6#18.2 72.63,9.71 U1#4.9
Board_33-/RLDREF: length 1.6
  Top w0.15: C7#17.1 73.11,11.21 U1#4.12 U1#4.11
Board_33-/SCLK: length 2.5
  Top w0.15: U1#4.17 70.15,13.15 70.15,13.9 70.41,14.16 70.41,15.5
Board_33-GND: length 18.1
  Top w0.15: 63,11.98 63,13.42 C9#11.2 65.03,13.5 C5#20.2 ; C5#20.2 66.13,14 67,14 67.82,13.18 67.82,12.5 U1#4.29 71.11,12.21 U1#4.14 ; C5#20.2 65.33,13.21 65.33,15.5
  Bottom w0.1: JP1#14.1 63.16,9 v1(62.16,8)
  vias: v1(64.4,13.5)
Board_33-GNDA: length 2.7
  Top w0.15: U1#4.27 67.2,9.7 66.37,9.7 C1#5.2 65.66,8.99 v1(65.62,8.99) ; C2#25.2 65.16,8.52 v1(65.62,8.99) ; v1(65.62,8.99) 65.67,8.95
  vias: v1(72.94,7.02)
Board_33-XTAL1: length 8.3
  Top w0.15: U1#4.23 66.78,11.71 C4.2 67,12.91 v1(67,12.92)
  Bottom w0.15: Y1#12.1 68.03,11.9 v1(67,12.92)
Board_33-XTAL2: length 4.2
  Top w0.15: v1(66.25,11.35) 66.25,10.66 66.31,10.6 66.92,11.21 U1#4.24
  Bottom w0.15: v1(66.25,11.35) 65.7,11.9 Y1#12.2
Board_34-+3.3V: length 14.8
  Top w0.15: U1#32.22 84.5,12.5 84.5,13.1 84.1,13.5 83.59,13.5 C5#25.1 83.29,13.16 C4#8.1 ; C4#8.1 82.12,11.98 80.95,11.98 80.95,11.31 80.64,11 79.36,11 79.05,11.31 79.05,13.43 C9#23.1 81.06,15.44 ; C4#8.1 82.35,12.18 82.35,10.6 ; J13#12.1 81.06,15.94
